# Allegro board RK3588S_Template_LP4XD200P232SD10H2_30X30_2133MHz_H1R6_V11_20220218YWQ.brd (continued)
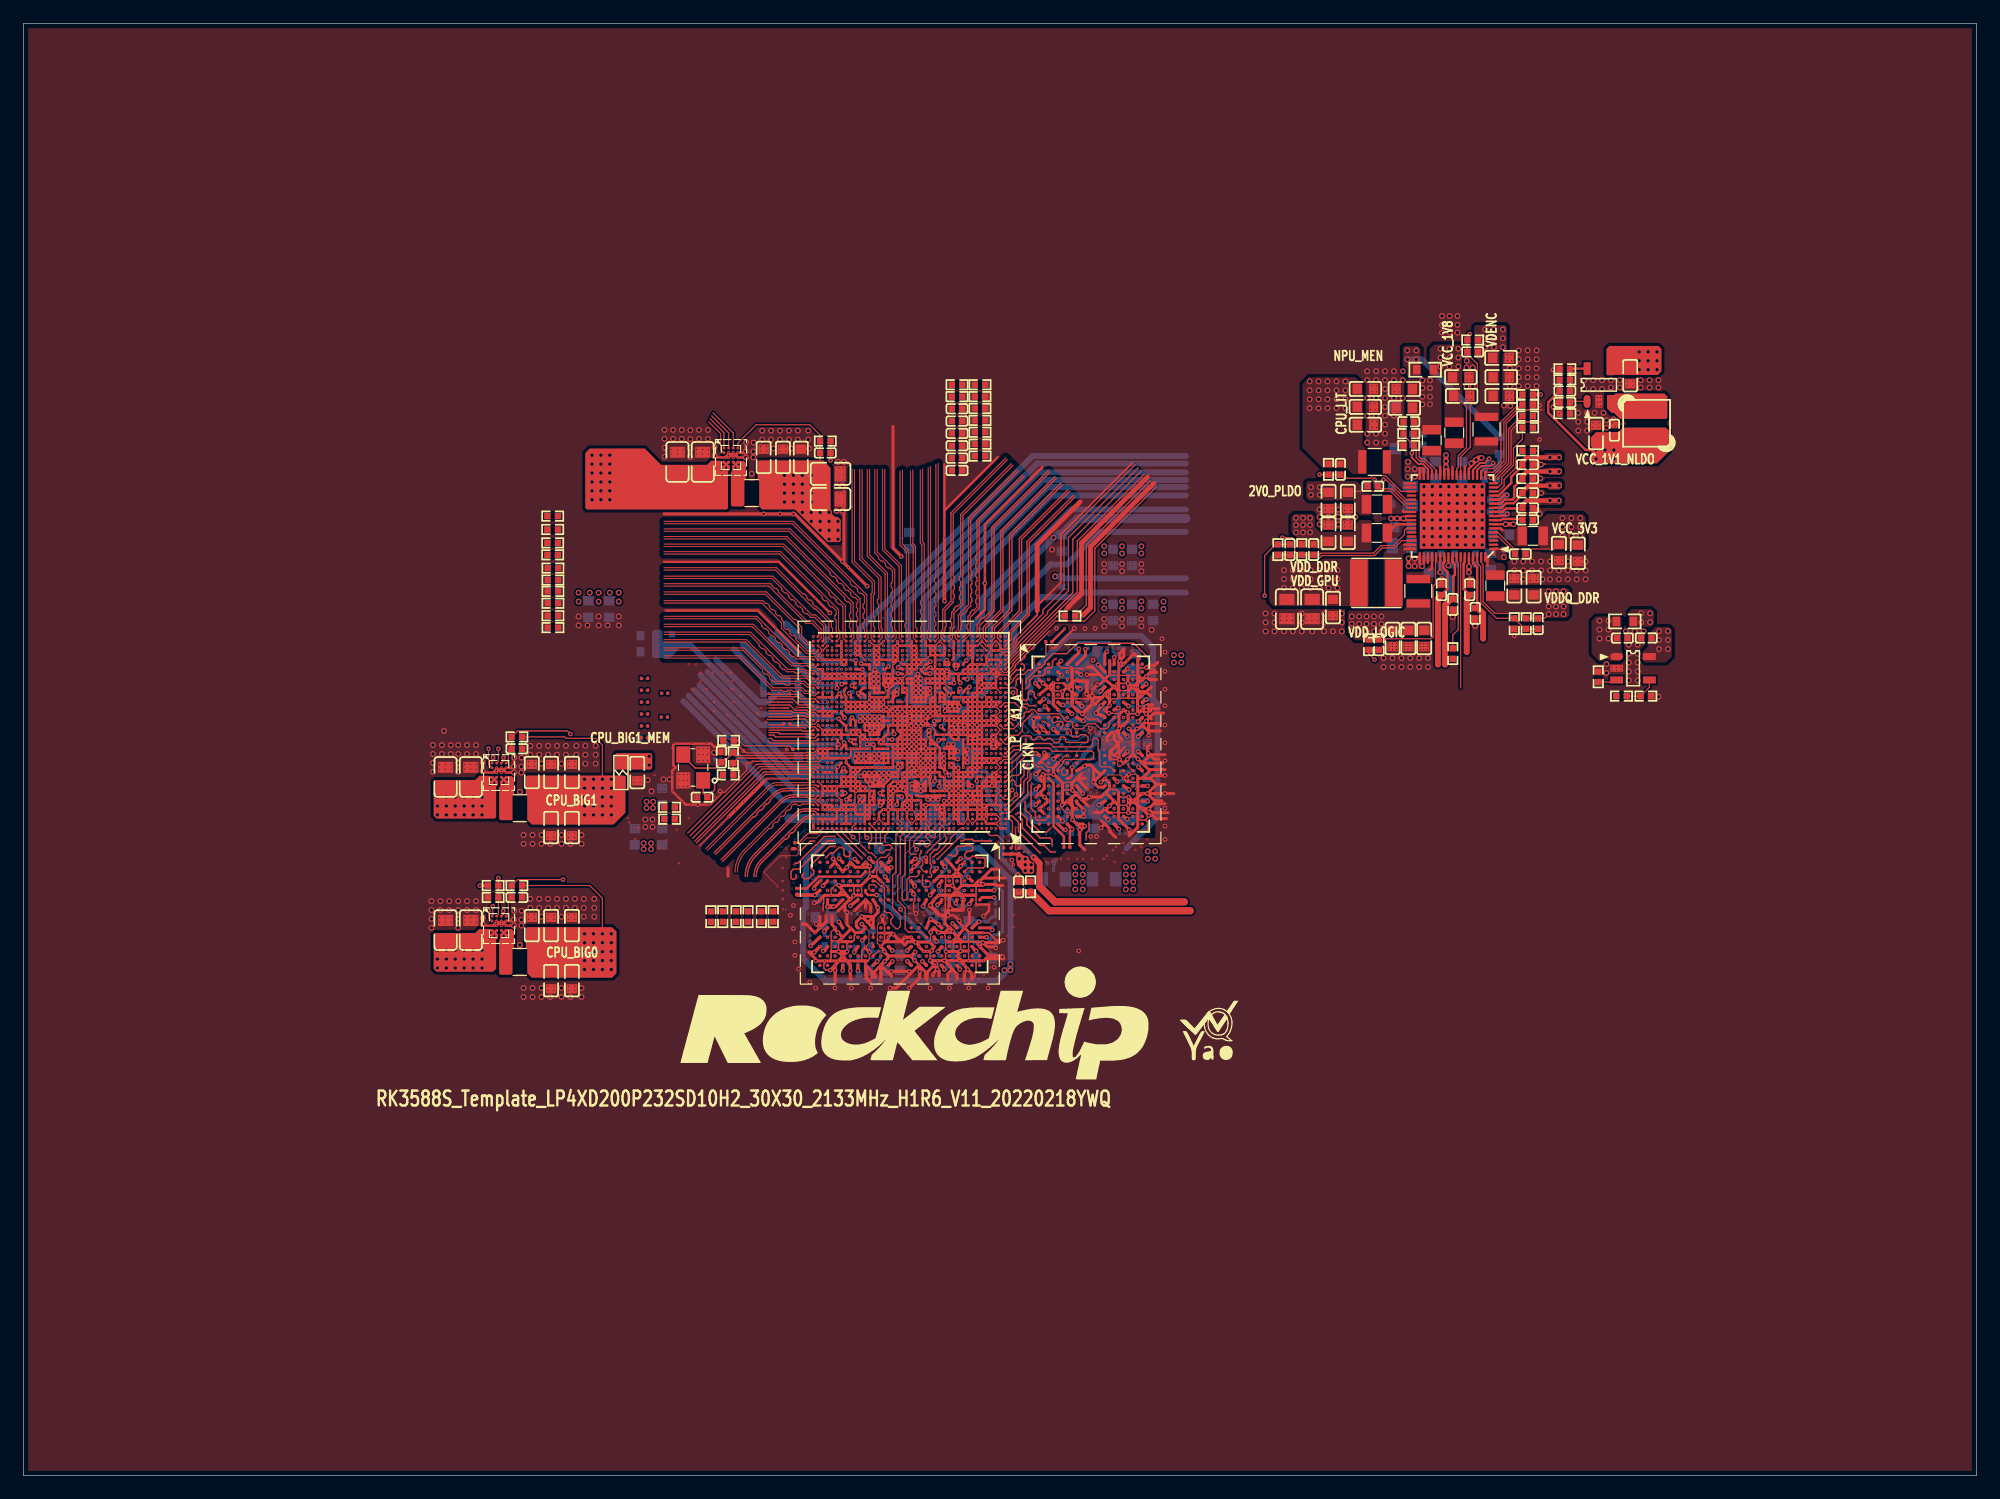
[diagram p0: board, top side]
## Copper pours and planes (outline as drawn; the poured copper is in the pictures) (continued)
GND on L8-S3: 0.51,0.51 0.51,123.57 166.37,123.57 166.37,0.51
VCC1V8_PMU_DDR_S3 on TOP: 119.38,96.27 119.38,94.11 119.25,93.98 118.11,93.98 117.86,94.23 117.86,96.39 117.98,96.52 119.13,96.52
VCC1V8_PMU_DDR_S3 on BOTTOM: 67.94,42.04 66.29,43.69 66.29,48.39 66.55,48.64 66.55,53.09 67.94,54.48 69.85,54.48 71.25,53.09 71.25,52.55 71.12,52.42 70.87,52.42 70.72,52.56 70.5,52.56 70.36,52.7 70.36,53.47 69.72,54.1 68.71,54.1 67.56,52.96 67.56,52.72 67.55,52.71 67.55,52.57 67.06,52.07 67.06,48.51 66.8,48.26 66.8,44.45 68.58,42.67 70.74,42.67 70.99,42.93 70.99,44.22 71.37,44.6 71.37,45.74 71.63,45.99 71.75,45.99 71.88,45.87 71.88,44.34 71.87,44.33 71.88,44.32 71.88,44.07 72.26,43.69 72.52,43.69 72.64,43.56 72.64,43.05 73.15,42.55 77.7,42.55 77.71,42.55 78.11,42.55 78.49,42.93 78.49,43.33 79.12,43.96 79.12,45.1 78.87,45.36 77.45,45.36 75.44,47.37 74.7,47.37 72.77,49.3 72.77,49.66 72.9,49.78 73.02,49.78 73.15,49.66 73.41,49.66 73.41,49.42 74.93,47.9 75.56,47.9 77.34,46.12 79.25,46.12 79.5,45.87 79.5,43.05 79.76,42.8 80.77,42.8 81.03,43.05 83.18,43.05 84.07,43.94 84.07,50.8 82.93,51.94 82.93,52.32 82.04,53.21 79.88,53.21 79.63,52.96 79.63,52.22 77.72,50.31 77.72,49.93 77.47,49.93 77.47,50.95 78.23,51.71 78.23,52.45 79.76,53.98 82.55,53.98 83.57,52.96 83.57,52.32 84.96,50.93 84.96,43.18 83.82,42.04
VCC1V8_PMU_DDR_S3 on BOTTOM: 86.27,58.87 86.65,58.87 86.77,58.74 86.77,58.49 86.63,58.34 86.63,58.12 86.49,57.98 86.01,57.98 85.18,57.15 85.18,56.13 85.95,55.37 86.23,55.37 87.25,54.36 89.03,54.36 89.28,54.1 94.36,54.1 96.52,56.26 96.52,58.17 96.07,58.61 95.18,58.61 94.74,59.05 93.34,59.05 93.22,59.18 93.22,59.44 93.34,59.56 95.38,59.56 95.5,59.69 95.5,60.07 95.76,60.33 96.52,60.33 96.65,60.45 96.65,65.33 95.23,66.74 94.54,66.74 93.83,66.04 93.83,65.26 91.82,63.25 91.82,62.99 91.84,62.97 91.84,62.72 91.8,62.68 91.8,62.3 89.9,60.39 89.86,60.39 89.66,60.2 89.53,60.2 89.41,60.33 89.41,60.58 89.53,60.71 89.53,60.96 89.92,61.34 90.08,61.34 91.29,62.55 91.29,63.19 93.07,64.96 93.07,65.02 93.22,65.17 93.22,66.42 94.11,67.31 96.14,67.31 96.27,67.44 96.27,70.48 95.25,71.5 89.28,71.5 86.11,68.33 86.11,67.56 86.29,67.38 86.85,67.38 88.88,65.34 89.26,65.34 89.26,65.09 88.25,65.09 86.98,66.36 86.67,66.36 86.36,66.67 85.98,66.67 85.6,67.06 85.6,68.45 89.15,72.01 96.14,72.01 97.22,70.93 97.22,52.9 96.65,52.32 95.63,52.32 95.38,52.58 88.9,52.58 88.52,52.96 86.99,52.96 84.55,55.41 84.55,57.15
VCC1V8_PMU_DDR_S3 on L3-S1: 83.44,43.56 88.39,48.51 91.19,48.51 92.2,49.53 92.2,50.8 94.61,53.21 95.38,53.21 95.88,53.72 97.41,53.72 100.96,57.28 100.96,92.08 108.33,99.44 119.63,99.44 120.01,99.06 120.01,95.38 119.57,94.93 110.3,94.93 105.28,89.92 105.28,52.7 94.49,41.91 83.69,41.91 83.44,42.16
VCC_1V1_NLDO_S3 on TOP (solid shape): 140.59,89.28 140.59,87.5 139.57,86.49 134.24,86.49 133.98,86.74 133.98,88.77 134.37,89.15 135.12,89.15 135.13,89.15 135.25,89.13 135.38,89.15 135.39,89.15 136.27,89.15 136.65,89.53 140.33,89.53
VCC_1V1_NLDO_S3 on L3-S1: 130.94,89.03 135.64,89.03 136.27,88.39 136.27,86.61 135.76,86.11 134.62,86.11 129.29,80.77 126.24,80.77 126.11,80.9 126.11,84.2
VCC_1V8_S0 on BOTTOM (solid shape): 65.53,68.2 65.53,67.56 63.88,67.56 63.88,68.2 64.01,68.33 65.4,68.33
VCC_1V8_S0 on BOTTOM (solid shape): 71.5,58.16 71.6,58.14 71.7,58.16 71.71,58.17 71.75,58.17 72.01,57.91 72.01,57.81 71.97,57.74 71.95,57.68 71.95,57.56 72,57.45 72.01,57.44 72.01,57.4 72.14,57.28 72.39,57.28 72.52,57.4 73.28,57.4 73.41,57.28 73.41,57.15 73.28,57.02 73.02,57.02 71.75,55.75 69.98,55.75 69.85,55.88 69.85,56.39 69.98,56.51 70.66,56.51 70.71,56.5 70.75,56.49 70.86,56.49 70.91,56.5 70.97,56.52 71.12,56.52 71.25,56.64 71.25,57.6 71.27,57.63 71.27,57.84 71.25,57.86 71.25,58.04 71.37,58.17 71.5,58.17
VCC_1V8_S3 on TOP: 121.41,89.79 121.41,93.73 121.16,93.98 120.27,93.98 120.14,94.11 120.14,96.27 120.52,96.65 122.68,96.65 122.94,96.39 122.94,91.31 123.06,91.19 123.06,89.92 122.94,89.79
VCC_2V0_PLDO_S3 on TOP: 115.19,82.17 115.06,82.04 114.17,82.04 114.05,82.17 113.92,82.17 113.79,82.3 113.79,83.06 113.54,83.31 109.85,83.31 109.6,83.57 109.6,84.84 109.73,84.96 113.92,84.96 114.3,84.58 114.3,84.2 114.55,83.95 115.06,83.95 115.19,83.82
VCC_2V0_PLDO_S3 on L8-S3: 119.13,79.38 119.76,78.74 121.54,78.74 122.3,77.98 122.3,76.45 122.05,76.2 118.36,76.2 117.28,77.28 117.28,79.31 113.54,83.06 110.11,83.06 109.73,83.44 109.73,84.71 109.85,84.84 114.55,84.84 116.71,82.68 118.36,82.68 119.13,81.91
VCC_3V3_S0 on TOP: 136.4,73.41 134.37,73.41 133.98,73.03 133.98,70.23 134.62,69.6 136.4,69.6 136.65,69.85 136.65,70.36 136.52,70.48 136.52,73.28
VCC_3V3_S3 on TOP: 129.41,81.41 129.41,79.5 129.79,79.12 133.22,79.12 133.48,79.38 133.48,81.91 133.22,82.17 130.17,82.17
VCC_3V3_S3 on TOP: 138.56,69.47 140.33,69.47 140.84,69.98 140.84,72.26 140.59,72.52 139.45,72.52 138.81,71.88 138.81,70.87 138.18,70.23 138.18,69.85
VCC_SYSIN on TOP (solid shape): 139.95,96.27 139.95,94.36 139.64,94.04 135.95,94.04 135.94,94.03 135.33,94.03 135.25,94.11 135.25,96.27 135.51,96.52 139.7,96.52
VCC_SYSIN on TOP (solid shape): 39.75,58.93 40.39,58.93 40.39,56.26 40.26,56.13 35.31,56.13 35.05,56.39 35.05,59.31 35.18,59.44 38.61,59.44 38.96,59.79 39.75,59.79
VCC_SYSIN on TOP (solid shape): 39.75,45.85 40.39,45.85 40.39,43.31 40.13,43.05 35.31,43.05 35.05,43.31 35.05,46.23 35.18,46.36 38.61,46.36 38.96,46.71 39.75,46.71
VCC_SYSIN on TOP (solid shape): 54.48,86.36 58.42,86.36 58.77,86.71 59.56,86.71 59.56,85.85 60.2,85.85 60.2,82.68 60.07,82.55 48.13,82.55 48.01,82.68 48.01,87.38 48.39,87.76 53.09,87.76
VCC_SYSIN on TOP: 125.22,78.99 125.22,79.25 126.11,79.25 126.24,79.38 126.62,79.38 126.75,79.25 126.75,78.36 126.62,78.23 125.98,78.23
VCC_SYSIN on TOP: 118.24,85.09 119.75,85.09 119.75,86.12 119.63,86.23 119.25,86.23 118.62,86.87 118.11,86.87 117.98,86.74 117.98,85.34
VCC_SYSIN on TOP: 120.1,78.06 120.1,78.61 118.24,78.61 118.11,78.49 118.11,77.6 118.24,77.47 119.51,77.47
VCC_SYSIN on BOTTOM: 120.14,87.25 120.14,86.23 120.4,85.98 121.92,85.98 122.17,86.23 124.08,86.23 124.46,86.61 124.71,86.61 124.84,86.74 124.84,87.38 124.71,87.5 120.4,87.5
VCC_SYSIN on BOTTOM: 119.25,86.11 119.25,84.07 119.13,83.95 116.71,83.95 116.59,84.07 116.59,84.71 116.84,84.96 116.84,86.61 117.09,86.87 118.49,86.87
VCC_SYSIN on BOTTOM: 123.19,77.09 123.19,77.98 123.32,78.11 125.86,78.11 126.11,78.36 126.11,79.76 126.36,80.01 126.36,81.41 126.49,81.53 127.51,81.53 127.63,81.41 127.63,78.99 126.81,78.17 126.81,77.6 126.05,76.84 123.95,76.84 123.82,76.96 123.32,76.96
VCC_SYSIN on BOTTOM: 115.95,78.36 115.95,81.53 116.46,82.04 117.98,82.04 118.11,81.91 118.11,81.66 117.86,81.41 117.86,78.74 117.98,78.61 119,78.61 119.13,78.49 119.13,78.23 119.38,77.98 120.14,77.98 120.52,77.6 120.52,76.71 120.14,76.33 117.98,76.33
VCC_SYSIN on L5-POWER2: 116.59,84.71 116.59,76.2 117.22,75.56 117.22,53.47 102.87,39.12 43.18,39.12 41.66,40.64 41.66,74.04 50.42,82.8 50.42,87.63 50.16,87.88 37.59,87.88 26.8,77.09 26.8,24.89 35.18,16.51 130.68,16.51 149.22,35.05 149.22,96.14 148.72,96.65 133.35,96.65 129.16,92.46 123.82,92.46 116.59,85.22
VCCA_3V3_S0 on TOP: 137.16,73.79 137.16,72.52 139.06,72.52 139.32,72.77 139.32,73.79 139.06,74.04 137.41,74.04
VCCIO5 on L8-S3 (solid shape): 65.53,65.41 65.53,65.02 64.9,65.02 62.74,67.18 62.74,67.44 62.86,67.56 63.37,67.56
VCCIO5 on BOTTOM: 63.48,66.55 63.36,66.44 63.18,66.44 63.14,66.4 62.75,66.79 62.75,68.06 62.86,68.17 63.48,68.17
VCCIO_FLASH on BOTTOM (solid shape): 54.61,72.14 54.61,71.37 54.74,71.25 55.88,71.25 56.01,71.12 56.01,70.61 55.24,69.85 53.85,69.85 53.72,69.98 53.72,72.14 53.85,72.26 54.48,72.26
VDD2_DDR_S3 on BOTTOM (solid shape): 90.51,66.13 90.52,66.09 90.53,66.04 90.55,65.99 90.59,65.95 90.62,65.92 90.67,65.89 90.71,65.87 90.76,65.85 90.81,65.85 90.84,65.85 91.59,65.85 91.71,65.86 91.75,65.88 91.79,65.9 91.81,65.91 92.33,65.91 92.44,65.81 92.44,65.27 92.42,65.23 92.42,65.17 92.42,65.11 92.42,65.05 92.44,65.02 92.44,64.71 92.06,64.33 89.9,64.33 89.85,64.28 89.71,64.28 89.31,63.88 89.31,63.82 89.29,63.78 89.27,63.74 89.26,63.7 89.13,63.57 87.86,63.57 87.48,63.95 87.48,64.46 87.36,64.58 86.98,64.58 86.72,64.33 86.72,63.82 86.47,63.57 85.83,64.2 85.83,64.84 86.09,65.09 86.72,65.09 86.78,65.09 87.63,65.09 87.99,64.73 87.99,64.33 88.25,64.07 88.32,64.07 88.35,64.06 88.4,64.05 88.45,64.05 88.5,64.05 88.54,64.06 88.58,64.07 88.88,64.07 89.26,64.46 89.26,64.47 89.28,64.48 89.31,64.51 89.33,64.54 89.35,64.57 89.36,64.61 89.36,64.63 89.36,64.71 89.64,64.71 89.68,64.75 89.72,64.76 89.77,64.78 89.81,64.81 89.85,64.85 89.88,64.89 89.91,64.93 89.93,64.98 89.94,65.03 89.94,65.08 89.94,65.13 90.11,65.13 90.11,65.08 90.12,65.02 90.14,64.97 90.16,64.93 90.19,64.88 90.22,64.84 90.27,64.81 90.31,64.78 90.36,64.77 90.41,64.75 90.46,64.75 90.52,64.75 90.57,64.77 90.62,64.78 90.66,64.81 90.7,64.84 90.74,64.88 90.77,64.93 90.79,64.97 90.81,65.02 90.82,65.08 90.82,65.13 90.81,65.18 90.79,65.23 90.77,65.28 90.74,65.32 90.7,65.36 90.66,65.39 90.62,65.42 90.57,65.44 90.52,65.45 90.46,65.46 90.41,65.45 90.36,65.44 90.31,65.42 90.27,65.39 90.22,65.36 90.19,65.32 90.16,65.28 90.14,65.23 90.12,65.18 90.11,65.13 89.94,65.13 89.93,65.19 89.91,65.23 89.9,65.27 89.9,65.85 90.28,66.23 90.4,66.23
VDD2_DDR_S3 on BOTTOM (solid shape): 95.58,64.44 95.59,64.4 95.6,64.34 95.62,64.29 95.65,64.25 95.69,64.21 95.73,64.17 95.76,64.16 95.76,63.37 95.49,63.1 95.48,63.09 95.44,63.06 95.44,61.66 95.38,61.59 95.12,61.59 95.12,61.57 95.07,61.54 95.02,61.51 94.98,61.48 94.95,61.44 94.92,61.39 94.9,61.34 94.88,61.29 94.88,61.23 94.88,61.18 94.89,61.13 94.91,61.08 94.94,61.03 94.97,60.99 95.01,60.95 95.06,60.92 95.11,60.9 95.16,60.88 95.21,60.88 95.27,60.88 95.32,60.89 95.44,60.77 95.44,60.6 95.44,60.57 95.42,60.55 95.4,60.53 95.37,60.52 95.34,60.51 95.31,60.52 95.28,60.53 95.25,60.56 95.21,60.59 95.17,60.61 95.12,60.63 95.07,60.64 95.05,60.64 94.85,60.63 94.82,60.63 94.79,60.64 94.77,60.66 94.75,60.69 94.74,60.72 94.74,60.73 94.74,61.21 94.68,61.28 94.67,61.32 94.65,61.37 94.62,61.42 94.58,61.46 94.54,61.5 94.49,61.53 94.44,61.55 94.39,61.56 94.36,61.59 93.47,61.59 93.22,61.34 93.22,59.94 93.09,59.82 92.07,59.82 91.69,59.44 91.69,59.05 91.38,58.74 91.06,58.74 90.79,58.47 90.79,58.36 90.4,57.98 89.41,57.98 88.82,58.56 89.29,58.56 89.29,58.51 89.3,58.46 89.31,58.41 89.34,58.36 89.37,58.32 89.4,58.28 89.44,58.25 89.49,58.22 89.54,58.2 89.59,58.19 89.64,58.18 89.7,58.19 89.75,58.2 89.8,58.22 89.84,58.25 89.88,58.28 89.92,58.32 89.95,58.36 89.97,58.41 89.99,58.46 89.99,58.51 89.99,58.56 89.99,58.62 89.97,58.67 89.95,58.71 89.92,58.76 89.88,58.8 89.84,58.83 89.8,58.86 89.75,58.87 89.7,58.89 89.64,58.89 89.59,58.89 89.54,58.87 89.49,58.86 89.44,58.83 89.4,58.8 89.37,58.76 89.34,58.71 89.31,58.67 89.3,58.62 89.29,58.56 88.82,58.56 88.78,58.62 88.75,58.66 88.71,58.69 88.68,58.71 88.17,59.22 88.13,59.22 88.1,59.25 87.65,59.25 87.62,59.22 86.68,59.22 86.67,59.23 86.63,59.27 86.58,59.29 86.53,59.3 86.49,59.31 86.22,59.57 86.22,59.94 86.78,59.94 86.78,59.88 86.78,59.83 86.8,59.78 86.82,59.73 86.85,59.69 86.89,59.65 86.93,59.62 86.97,59.59 87.02,59.57 87.07,59.56 87.13,59.56 87.18,59.56 87.23,59.57 87.28,59.59 87.33,59.62 87.37,59.65 87.4,59.69 87.43,59.73 87.46,59.78 87.47,59.83 87.48,59.88 87.48,59.94 87.65,59.94 87.65,59.89 87.66,59.84 87.68,59.79 87.7,59.74 87.73,59.69 87.77,59.66 87.81,59.62 87.85,59.6 87.9,59.58 87.95,59.57 88.01,59.56 88.06,59.57 88.11,59.58 88.16,59.6 88.2,59.62 88.25,59.66 88.28,59.69 88.31,59.74 88.33,59.79 88.35,59.84 88.36,59.89 88.36,59.94 88.35,59.99 88.33,60.04 88.31,60.09 88.28,60.13 88.25,60.17 88.2,60.21 88.16,60.23 88.11,60.25 88.06,60.26 88.01,60.27 87.95,60.26 87.9,60.25 87.85,60.23 87.81,60.21 87.77,60.17 87.73,60.13 87.7,60.09 87.68,60.04 87.66,59.99 87.65,59.94 87.48,59.94 87.47,59.99 87.46,60.04 87.43,60.09 87.4,60.13 87.37,60.17 87.33,60.2 87.28,60.23 87.23,60.25 87.18,60.26 87.13,60.26 87.07,60.26 87.02,60.25 86.97,60.23 86.93,60.2 86.89,60.17 86.85,60.13 86.82,60.09 86.8,60.04 86.78,59.99 86.78,59.94 86.22,59.94 86.22,60.17 86.27,60.2 86.3,60.23 86.33,60.26 86.36,60.3 86.37,60.34 86.38,60.38 86.38,60.43 86.37,60.47 86.36,60.52 86.33,60.55 86.3,60.59 86.27,60.62 86.22,60.64 86.22,61.8 86.34,61.92 86.59,61.92 86.93,61.58 86.94,61.56 86.98,61.51 87.02,61.48 87.05,61.46 87.1,61.41 87.23,61.41 87.23,61.4 87.61,61.41 87.9,61.42 87.94,61.44 87.99,61.47 88.38,61.08 88.37,61.03 88.38,60.99 88.39,60.94 88.41,60.9 88.43,60.86 88.47,60.83 88.5,60.81 88.54,60.79 88.59,60.78 88.63,60.77 88.68,60.78 89.15,60.31 89.15,60.22 89.43,59.94 89.77,59.94 89.96,60.14 90,60.14 90.72,60.86 91.57,60.86 91.8,61.09 91.8,61.12 91.81,61.15 91.82,61.19 91.82,61.24 91.81,61.28 91.8,61.31 91.8,61.94 92.06,62.19 92.06,62.48 92.07,62.5 92.07,62.59 92.1,62.61 92.1,63.08 92.08,63.1 92.85,63.87 93.28,63.87 93.28,63.82 93.29,63.77 93.3,63.72 93.32,63.67 93.35,63.63 93.39,63.59 93.43,63.55 93.48,63.53 93.53,63.51 93.58,63.5 93.63,63.49 93.68,63.5 93.73,63.51 93.78,63.53 93.83,63.55 93.87,63.59 93.91,63.63 93.94,63.67 93.96,63.72 93.97,63.77 93.98,63.82 94.1,63.82 94.1,63.77 94.11,63.72 94.13,63.67 94.16,63.62 94.19,63.58 94.22,63.55 94.27,63.51 94.31,63.49 94.36,63.47 94.41,63.46 94.47,63.46 94.52,63.47 94.57,63.48 94.62,63.5 94.66,63.53 94.68,63.55 94.9,63.55 94.92,63.53 94.97,63.5 95.01,63.48 95.06,63.47 95.12,63.46 95.17,63.46 95.22,63.47 95.27,63.49 95.32,63.51 95.36,63.55 95.4,63.58 95.43,63.62 95.45,63.67 95.47,63.72 95.48,63.77 95.48,63.82 95.48,63.88 95.47,63.93 95.45,63.98 95.42,64.02 95.38,64.06 95.34,64.1 95.3,64.12 95.25,64.15 95.2,64.16 95.15,64.17 95.1,64.17 95.05,64.16 95,64.14 94.96,64.12 94.93,64.12 94.89,64.14 94.84,64.15 94.78,64.15 94.73,64.14 94.7,64.12 94.62,64.12 94.59,64.14 94.54,64.16 94.49,64.17 94.43,64.17 94.38,64.16 94.33,64.15 94.28,64.12 94.24,64.1 94.2,64.06 94.17,64.02 94.14,63.98 94.12,63.93 94.11,63.88 94.1,63.82 93.98,63.82 93.98,63.87 93.97,63.92 93.96,63.98 93.94,64.02 93.91,64.07 93.87,64.1 93.83,64.14 93.78,64.16 93.73,64.18 93.68,64.2 93.63,64.2 93.58,64.2 93.53,64.18 93.48,64.16 93.43,64.14 93.39,64.1 93.35,64.07 93.32,64.02 93.3,63.98 93.29,63.92 93.28,63.87 92.85,63.87 93.49,64.52 94.36,64.52 94.49,64.64 95.38,64.64
VDD2_DDR_S3 on TOP: 119.51,88.9 121.03,88.9 121.16,89.03 121.16,93.6 120.9,93.85 118.36,93.85 118.24,93.73 118.24,90.81 118.49,90.55 118.49,88.77 118.62,88.65 119.25,88.65
VDD2_DDR_S3 on BOTTOM: 71.63,51.05 71.63,51.56 71.5,51.69 71.5,52.29 72.15,52.94 74.2,52.94 74.29,52.85 74.29,52.6 73.79,52.09 73.79,51.33 73.8,51.32 73.78,51.3 73.78,51.06 73.64,50.93 73.41,50.93 73.15,50.67 73.15,50.55 72.52,49.91 72.52,49.3 73.28,48.53 73.28,48.15 73.02,47.9 73.02,47.64 73.28,47.39 74.29,47.39 74.57,47.12 75.44,47.12 77.09,45.47 77.09,43.69 76.83,43.43 75.69,43.43 75.31,43.81 74.42,43.81 74.29,43.69 72.9,43.69 72.77,43.81 72.77,44.07 72.89,44.19 72.89,44.7 72.89,44.71 72.89,45.21 72.9,45.21 72.9,45.59 72.64,45.85 72.39,45.85 72.27,45.96 72.27,46.98 71.75,47.5 71.25,47.5 71.12,47.62 71.12,48.13 70.85,48.41 70.74,48.41 70.36,48.79 70.36,49.78
VDD2_DDR_S3 on BOTTOM: 76.71,47.14 77.09,46.76 78.23,46.76 78.49,47.01 78.49,47.26 78.23,47.52 78.23,48.41 78.61,48.79 78.61,48.91 78.23,49.3 77.34,49.3 77.09,49.55 77.09,49.93 76.83,49.93 76.45,50.31 76.45,50.95 76.71,51.2 77.11,51.2 77.34,51.44 77.34,52.07 77.6,52.32 77.85,52.32 79.76,54.23 80.39,54.23 80.52,54.36 80.52,54.99 79.63,54.99 79.63,54.74 78.25,53.36 76.58,53.36 75.95,52.72 76.2,52.47 76.71,52.47 76.83,52.34 76.83,51.84 76.71,51.71 76.33,51.71 75.95,51.33 75.95,50.06 76.71,49.3
VDD2_DDR_S3 on BOTTOM: 92.74,52.2 92.84,52.3 95,52.3 95.12,52.17 95.12,49.91 95,49.78 93.09,49.78 92.74,50.14
VDD2_DDR_S3 on L4-POWER1: 106.81,51.44 103.25,47.88 95.38,47.88 93.34,49.91 93.34,51.69 93.98,52.32 97.03,52.32 100.08,55.37 100.08,93.73 105.03,98.68 119.63,98.68 120.71,97.6 120.71,90.49 118.74,88.52 111.63,88.52 107.44,84.33 107.44,80.52 106.81,79.88
VDD2_DDR_S3 on L5-POWER2: 69.66,42.61 68.07,44.2 67.44,44.2 66.67,44.96 66.67,51.31 68.83,53.47 80.26,53.47 84.84,48.89 86.99,48.89 88.01,49.91 88.01,54.17 85.72,56.45 85.72,63.63 86.11,64.01 86.11,64.9 86.36,65.15 86.36,67.31 86.49,67.44 87.12,67.44 87.38,67.69 87.38,68.71 88.01,69.34 88.65,69.34 89.66,70.36 89.66,70.74 90.04,71.12 91.31,71.12 92.33,70.1 93.85,70.1 94.11,69.85 96.77,69.85 97.16,69.47 97.16,47.75 92.01,42.61
VDD_0V75_S3 on TOP: 130.05,87.38 131.32,87.38 131.44,87.25 131.44,86.87 131.32,86.74 129.92,86.74 129.79,86.87 129.79,87.12
VDD_CPU_BIG0_S0 on TOP (solid shape): 50.67,46.48 50.67,42.93 50.29,42.55 43.43,42.55 43.05,42.93 43.05,44.96 42.93,45.09 42.93,46.74 43.05,46.86 50.29,46.86
VDD_CPU_BIG0_S0 on BOTTOM (solid shape): 75.06,60.45 75.06,59.79 74.75,59.49 74.18,59.49 74.18,59.42 74.05,59.42 73.66,59.03 73.56,59.03 73.5,59.05 73.47,59.05 73.41,59.05 73.15,59.05 72.9,58.8 72.52,58.8 72.14,58.42 71.88,58.42 71.88,58.8 72.01,58.93 72.19,58.93 72.21,58.98 72.21,59.09 72.23,59.12 72.25,59.17 72.39,59.31 72.39,59.56 72.29,59.67 72.27,59.65 72.24,59.67 72.08,59.68 71.95,59.6 71.93,59.59 71.92,59.59 71.84,59.59 71.76,59.56 71.4,59.56 71.39,59.57 71.27,59.59 71.16,59.57 71.15,59.56 70.76,59.56 70.68,59.59 70.61,59.59 70.59,59.59 70.48,59.69 70.48,59.94 70.53,59.95 70.59,59.97 70.64,60 70.7,60.06 71.62,60.06 71.73,60.17 71.91,60.17 71.91,60.19 72.38,60.19 72.4,60.17 72.63,60.17 72.65,60.19 72.71,60.19 72.96,60.45 74.04,60.45 74.29,60.71 74.8,60.71
VDD_CPU_BIG0_S0 on BOTTOM: 55.07,54.53 51.89,54.53 51.64,54.28 51.64,53.52 52.02,53.14 54.94,53.14 55.32,53.52 55.32,54.28
VDD_CPU_BIG0_S0 on L5-POWER2: 75.23,60.5 74.88,60.86 74.52,60.86 74.14,60.48 70.75,60.48 70.26,59.99 64.31,59.99 61.07,56.76 56.78,56.76 54.31,54.28 49.45,54.28 46.61,51.44 46.61,43.05 46.93,42.74 47.43,42.74 47.5,42.67 63.63,42.67 63.88,42.93 63.88,51.74 65.38,53.24 65.4,53.24 66.4,54.23 67.59,54.23 67.84,53.98 71.37,53.98 72.64,55.24 75.06,55.24 75.44,55.63 75.44,59.51 75.23,59.72
VDD_CPU_BIG0_S0 on L6-S2: 74.45,59.21 74.45,59.11 73.89,58.55 73.86,58.55 73.86,58.34 73.23,57.71 73.23,56.64 73.02,56.44 73.02,55.37 72.9,55.24 70.61,55.24 58.17,42.8 46.86,42.8 46.61,43.05 46.61,52.12 54.61,60.12 60.15,60.12 61.37,61.34 70.48,61.34 70.61,61.21 70.61,60.88 70.56,60.83 70.56,60.76 70.95,60.36 73.88,60.36 74.42,60.91 74.88,60.91 75.23,60.55 75.23,59.99
VDD_CPU_BIG1_MEM_S0 on TOP (solid shape): 53.72,61.59 53.72,60.45 53.59,60.33 50.55,60.33 50.55,61.59 50.67,61.72 53.59,61.72
VDD_CPU_BIG1_MEM_S0 on L6-S2: 72.91,63.29 72.97,63.22 72.97,62.1 72.85,61.97 71.11,61.97 70.76,61.62 70.71,61.62 70.69,61.59 61.24,61.59 60.02,60.38 53.29,60.38 53.21,60.45 53.21,62.99 53.51,63.29
VDD_CPU_BIG1_S0 on TOP (solid shape): 51.43,59.69 51.43,56.64 50.42,55.63 43.43,55.63 43.05,56.01 43.05,58.04 42.93,58.17 42.93,59.69 43.05,59.82 51.31,59.82
VDD_CPU_BIG1_S0 on BOTTOM (solid shape): 71.37,62.1 71.37,61.98 71.49,61.98 71.5,61.97 74.8,61.97 74.93,61.85 74.93,61.21 74.8,61.09 74.29,61.09 74.17,61.21 73.3,61.21 73.15,61.07 72.74,61.07 72.74,61.07 72.58,61.07 72.58,60.91 72.44,60.77 72.34,60.77 72.33,60.78 72.22,60.8 72.1,60.78 72.09,60.77 71.64,60.77 71.58,60.77 71.07,60.77 71.01,60.83 70.87,60.83 70.74,60.96 70.74,61.09 70.48,61.34 69.72,61.34 69.52,61.13 69.4,61.13 69.13,60.86 67.03,60.86 66.93,60.96 66.93,61.59 67.18,61.85 69.36,61.85 69.42,61.83 69.47,61.83 69.49,61.83 69.6,61.72 70.75,61.72 70.75,61.86 70.99,62.1 71.37,62.1
VDD_CPU_BIG1_S0 on BOTTOM: 53.21,56.69 54.94,56.69 55.19,56.95 55.19,57.84 55.07,57.96 53.21,57.96 52.96,57.71 52.96,56.95
VDD_CPU_BIG1_S0 on L5-POWER2: 73.38,62.73 68.07,62.73 67.81,62.99 66.55,62.99 66.42,62.87 66.42,62.86 66.29,62.73 59.82,62.73 59.05,63.5 47.24,63.5 46.99,63.25 46.99,56.77 48.84,54.91 53.97,54.91 56.83,57.77 56.91,57.77 56.97,57.84 58.12,57.84 58.37,57.58 60.91,57.58 63.99,60.66 70.65,60.66 70.87,60.88 73.23,60.88 73.38,61.04
VDD_CPU_BIG1_S0 on L8-S3: 49.1,63.93 61.54,63.93 61.8,63.68 66.42,63.68 66.55,63.55 66.55,62.74 66.93,62.36 68.58,62.36 69.09,61.85 69.98,61.85 70.23,62.1 71.75,62.1 71.88,62.23 71.88,62.48 72.01,62.61 72.64,62.61 72.77,62.48 72.77,62.23 72.9,62.1 73.15,62.1 73.28,61.98 73.28,61.21 73.15,61.09 70.74,61.09 70.36,60.71 70.1,60.71 69.21,59.82 69.21,58.55 67.82,57.15 66.55,57.15 61.21,51.82 47.62,51.82 47.12,52.32 47.12,61.95
VDD_CPU_LIT_S0 on BOTTOM (solid shape): 70.48,65.41 72.02,65.41 72.12,65.34 72.23,65.31 72.24,65.3 72.24,65.14 72.39,65.14 72.39,65.07 72.71,65.07 72.87,64.97 72.87,64.98 73.02,65.07 73.17,65.07 73.25,64.95 73.25,64.95 73.3,64.86 73.51,64.95 74.12,64.95 74.12,64.06 73.58,64.06 73.27,63.74 73.27,63.37 72.77,63.37 72.72,63.42 72.72,63.47 72.17,63.47 72.14,63.5 72.14,64.26 72.09,64.31 71.07,64.31 71.07,64.56 71.13,64.69 71.13,64.85 71.13,64.88 71.11,64.91 70.98,65.07 70.78,65.12 70.64,65.1 70.52,65.02 70.36,65.02 69.98,65.41 69.98,65.53 70.36,65.53
VDD_CPU_LIT_S0 on TOP: 113.54,85.6 113.03,86.11 111,86.11 109.28,87.82 109.28,93.28 109.85,93.85 113.79,93.85 114.43,93.22 114.43,88.01 114.68,87.76 114.68,85.6
VDD_CPU_LIT_S0 on BOTTOM: 50.85,74.09 51.18,74.42 51.18,75.56 50.88,75.87 47.42,75.87 47.12,75.56 47.12,74.42 47.45,74.09
VDD_CPU_LIT_S0 on L5-POWER2: 55.88,108.78 115.76,108.78 120.78,103.76 120.78,89.66 116.59,85.47 111.38,85.47 108.84,88.01 108.84,93.22 106.43,95.63 74.55,95.63 70.1,91.19 70.1,89.03 68.07,87 64.26,87 59.44,82.17 59.44,72.64 65.23,66.85 65.28,66.85 65.46,66.67 68.2,66.67 69.04,65.84 70.18,65.84 70.23,65.79 70.66,65.79 70.87,65.58 71.58,65.58 72.03,65.13 73.28,65.13 73.28,65.02 73.41,64.9 73.41,64.39 73.02,64.01 73.02,63.12 71.25,63.12 70.99,63.37 69.72,63.37 69.57,63.22 68.17,63.22 68.14,63.25 59.82,63.25 59.18,63.88 46.48,63.88 46.23,64.14 46.23,77.34 51.31,82.42 51.31,104.2
VDD_CPU_LIT_S0 on L6-S2: 72.74,63.34 53.16,63.34 52.82,63.68 46.81,63.68 46.48,64.01 46.48,86.61 67.31,107.44 112.27,107.44 114.17,105.54 114.17,91.31 113.79,90.93 73.28,90.93 68.58,86.23 64.52,86.23 62.48,84.2 62.48,80.64 62.1,80.26 62.1,75.06 62.67,74.49 62.8,74.49 69.21,68.07 69.21,66.29 69.34,66.17 70.23,66.17 70.23,66.08 70.48,65.83 72.83,65.83 73.41,65.25 73.41,64.39 73.41,64.39 73.02,64.01 73.02,63.63
VDD_DDR_S0 on BOTTOM (solid shape): 79.38,62.99 80.11,62.99 80.21,62.89 80.21,61.62 80.06,61.47 80.06,61.11 80.01,61.06 79.66,61.06 79.58,61.14 79.45,61.14 79.32,61.26 79.32,61.65 78.94,62.03 78.94,62.53 78.87,62.61 78.87,62.99 78.99,63.12 79.25,63.12
VDD_DDR_S0 on BOTTOM (solid shape): 77.42,59.49 77.42,58.98 76.91,58.47 76.91,58.17 76.83,58.09 75.51,58.09 75.39,58.22 75.39,58.28 75.41,58.3 75.52,58.48 75.52,58.69 75.51,58.7 75.51,59.23 75.57,59.29 76.41,59.29 76.41,59.36 76.53,59.36 76.78,59.61 77.29,59.61
VDD_DDR_S0 on TOP: 108.84,80.14 108.33,80.64 108.33,81.91 108.58,82.17 110.11,82.17 110.36,81.91 110.36,81.03 110.74,80.64 113.79,80.64 113.79,81.28 114.17,81.66 115.06,81.66 115.19,81.53 115.19,79.12 115.06,78.99 110.87,78.99 110.62,79.25 108.97,79.25 108.84,79.38
VDD_DDR_S0 on L4-POWER1: 109.09,40.89 85.72,40.89 85.22,41.4 85.22,50.67 85.34,50.8 88.01,50.8 89.41,49.4 92.96,49.4 94.87,47.5 103.63,47.5 107.82,51.69 107.82,82.8 108.2,83.19 117.98,83.19 119.25,81.91 119.25,79.12 120.52,77.85 120.52,52.32
VDD_DDR_S0 on L4-POWER1: 77.81,62.01 77.81,63.33 78.16,63.68 80.09,63.68 80.21,63.55 80.21,62.15 80.47,61.9 80.47,60.96 81.03,60.4 81.03,58.55 80.14,57.66 78.54,57.66 78.28,57.91 75.95,57.91 75.65,58.2 75.65,59.23 75.77,59.35 76.88,59.35 77.93,60.4 77.93,61.9
VDD_DDR_S0 on L5-POWER2: 77.22,59.31 75.82,59.31 75.69,59.18 75.69,58.04 75.95,57.78 76.58,57.78 76.96,58.17 78.23,58.17 78.36,58.29 79.12,58.29 80.01,59.18 80.01,62.23 79.63,62.61 78.74,62.61 78.61,62.48 78.61,62.23 78.74,62.1 78.74,60.83
VDD_DDR_S0 on L6-S2: 73.48,57.78 75.03,59.33 75.06,59.33 75.16,59.44 77.09,59.44 77.47,59.82 77.98,59.82 78.74,59.05 83.69,59.05 84.07,59.44 85.09,59.44 85.85,58.67 85.85,57.15 88.39,54.61 88.39,49.91 87.63,49.15 83.44,49.15 82.68,49.91 82.68,51.18 80.58,53.28 78.3,53.28 77.47,54.1 75.06,54.1 74.42,54.74 74.36,54.67 73.6,54.67 73.28,54.99 73.28,56.06 73.48,56.26
VDD_GPU_S0 on BOTTOM (solid shape): 76.2,68.71 76.58,68.71 76.73,68.56 76.73,68.33 76.8,68.23 76.92,68.18 76.96,68.17 76.96,68.07 77.09,67.94 77.09,67.69 77.33,67.45 77.36,67.47 77.39,67.49 77.55,67.49 77.63,67.41 77.62,67.3 77.66,67.18 77.64,67.14 77.6,67.02 77.62,66.89 77.63,66.83 77.66,66.78 77.67,66.75 77.67,66.73 77.69,66.7 77.7,66.63 77.76,66.63 77.78,66.61 77.79,66.61 77.8,66.6 77.93,66.6 78.05,66.47 78.05,66.22 77.93,66.09 77.55,66.09 77.42,65.96 77.27,65.96 77.16,65.86 77.11,65.83 77.06,65.79 76.71,65.79 76.66,65.84 75.9,65.84 75.9,65.91 75.71,65.91 75.71,65.94 75.66,65.94 75.56,66.04 75.26,66.04 75.26,66.5 75.56,66.8 75.56,68.96 75.69,69.09 75.82,69.09
VDD_GPU_S0 on TOP: 110.74,78.11 108.58,78.11 108.33,78.36 108.33,78.74 108.08,78.99 106.93,78.99 106.43,78.49 106.43,74.68 106.81,74.3 114.81,74.3 114.94,74.42 114.94,78.23 114.81,78.36 111,78.36
VDD_GPU_S0 on BOTTOM: 92.2,78.49 95.63,78.49 95.76,78.61 95.76,79.5 95.63,79.63 92.2,79.63 92.07,79.5 92.07,78.61
VDD_GPU_S0 on BOTTOM: 75.31,79.76 75.06,79.5 75.06,78.87 75.18,78.74 76.2,78.74 76.33,78.87 76.33,79.63 76.2,79.76
VDD_GPU_S0 on L5-POWER2: 75.44,66.6 75.36,66.67 75.31,66.67 75.31,66.8 74.94,67.17 74.41,67.17 73.89,67.69 73.89,71.75 70.74,74.9 70.74,90.81 74.99,95.06 106.11,95.06 108.33,92.84 108.33,87.25 110.49,85.09 111.38,85.09 112.78,83.69 112.78,75.82 112.52,75.56 103.76,75.56 98.81,80.52 82.77,80.52 79.38,77.13 79.38,74.3 79.25,74.17 79.21,74.17 78.53,73.49 78.53,72.15 78.01,71.63 78.01,70.5 77.98,70.48 77.98,67.82 77.85,67.69 77.85,66.8 77.65,66.6
VDD_GPU_S0 on L6-S2: 76.35,66.52 76.28,66.6 75.44,66.6 74.96,67.08 74.93,67.08 74.7,67.31 73.89,67.31 73.79,67.41 73.56,67.41 73.38,67.59 73.38,72.14 73.39,72.15 73.39,72.63 73.41,72.64 73.41,72.77 70.74,75.44 70.74,88.01 73.28,90.55 113.54,90.55 114.43,89.66 114.43,77.47 111.63,74.68 107.24,74.68 105.16,76.76 89.41,76.76 88.7,77.47 81.79,77.47 80.77,76.45 80.77,75.82 79.63,74.68 79.63,73.28 78.99,72.64 78.99,71.12 78.23,70.36 78.23,66.65 78.1,66.52
VDD_LOGIC_S0 on BOTTOM (solid shape): 79.12,65.94 79.75,65.94 79.75,65.96 80.06,65.96 80.12,65.75 80.31,65.74 80.34,65.71 80.67,65.71 80.74,65.7 80.85,65.71 80.9,65.66 80.9,65.15 80.85,65.11 80.19,65.11 80.19,65.07 79.71,65.07 79.58,65.2 79.58,65.58 78.31,65.58 78.31,65.86 78.41,65.96 79.12,65.96
VDD_LOGIC_S0 on L9-GND3 (solid shape): 70.87,65.79 70.87,65.22 70.84,65.15 70.77,65.12 70.65,65.09 70.55,65.02 70.35,65.02 70.15,65.08 69.96,65.02 69.21,65.02 68.2,64.01 68.2,62.74 69.21,61.72 69.98,61.72 70.1,61.59 70.1,61.21 69.98,61.09 69.98,60.96 69.6,60.96 69.54,60.91 69.52,60.9 69.39,60.86 69.29,60.76 69.22,60.57 69.27,60.37 69.44,60.22 69.67,60.22 69.7,60.22 69.82,60.11 69.99,60.11 70.08,60.09 70.17,60.1 70.19,60.11 70.97,59.33 70.97,59.26 70.99,59.2 70.99,58.93 70.61,58.93 70.1,59.44 68.71,59.44 68.07,60.07 68.07,61.47 67.69,61.85 67.69,64.52 68.83,65.66 70.16,65.66 70.22,65.65 70.48,65.91 70.74,65.91
VDD_LOGIC_S0 on TOP: 113.16,72.01 113.79,71.37 115.82,71.37 116.2,71.75 120.01,71.75 120.27,72.01 120.27,74.8 120.14,74.93 118.24,74.93 118.11,74.8 118.11,74.17 117.86,73.91 113.28,73.91 113.16,73.79
VDD_LOGIC_S0 on BOTTOM: 92.27,73.66 91.38,72.77 87.76,72.77 86.99,72.01 86.99,71.25 84.65,68.9 84.65,68.52 84.45,68.33 84.45,67.69 81.91,65.15 80.14,65.15 80.14,65.41 80.39,65.66 80.9,65.66 81.66,66.42 82.04,66.42 82.68,67.06 82.68,67.69 84.07,69.09 84.07,69.47 85.09,70.48 85.09,72.64 87.12,74.68 90.3,74.68 90.55,74.93 95.63,74.93 95.76,74.8 95.76,73.91 95.5,73.66
VDD_LOGIC_S0 on L4-POWER1: 78.36,65.38 76.43,65.38 76.2,65.15 75.31,65.15 75.08,65.38 74.12,65.38 73.3,66.19 71.37,66.19 71.12,66.45 71.12,66.93 71.37,67.18 72.05,67.18 72.14,67.09 74.29,67.09 74.55,66.84 75.44,66.84 75.44,66.55 75.82,66.17 76.2,66.17 76.62,66.59 76.67,66.59 76.76,66.5 79.55,66.5 80.26,65.79 80.26,65.15 79.88,64.77 78.97,64.77
VDD_LOGIC_S0 on L5-POWER2: 78.41,65.35 77.48,65.35 77.44,65.38 76.61,65.38 76.58,65.41 76.45,65.41 76.2,65.15 75.44,65.15 75.12,65.47 72.45,65.47 71.96,65.96 71.15,65.96 71.02,66.09 71.02,67.21 71.09,67.28 74.5,67.28 74.57,67.21 74.57,66.9 75.11,66.36 78.41,66.36 78.41,67.4 78.37,67.45 78.37,68.06 78.49,68.18 78.49,71.5 79.12,72.14 79.12,73.03 79.88,73.79 79.88,76.84 82.69,79.64 88.26,79.64 88.89,80.26 98.68,80.26 103.5,75.44 111.89,75.44 111.95,75.37 115.76,75.37 116.33,74.8 116.33,71.12 113.54,68.33 102.11,68.33 96.65,73.79 87.76,73.79 86.8,72.83 86.8,71.69 85.72,70.61 85.72,68.96 85.09,68.33 85.09,66.67 84.71,66.29 84.28,66.29 82.42,64.44 78.56,64.44 78.41,64.59
VDD_LOGIC_S0 on L6-S2: 80.01,65.38 79.12,65.38 78.89,65.15 78.59,65.15 78.36,65.38 76.58,65.38 76.35,65.15 75.29,65.15 75.06,65.38 74.12,65.38 73.3,66.19 70.97,66.19 70.97,67.11 71.12,67.26 71.88,67.26 72.05,67.09 74.29,67.09 74.55,66.84 75.1,66.84 75.77,66.17 76.5,66.17 76.83,66.5 79.71,66.5 80.14,66.07 80.14,65.51
VDD_LOGIC_S0 on L8-S3: 88.42,72.64 89.36,73.58 96.65,73.58 100.13,70.1 115.57,70.1 116.33,70.87 116.33,78.11 115.06,79.38 107.44,79.38 102.74,84.07 82.37,84.07 80.09,81.79 80.09,73.33 80.14,73.28 80.14,71.5 80.01,71.37 80.01,70.23 80.26,69.98 80.64,69.98 80.9,69.72 80.9,68.96 80.26,68.33 80.26,67.31 79.88,66.93 79.38,66.93 78.49,66.04 78.49,65.28 78.61,65.15 78.74,65.15 79.25,65.66 79.76,65.66 80.14,65.28 80.14,64.64 80.26,64.52 81.79,64.52 82.11,64.83 82.11,65.72 82.93,66.55 82.93,67.56 82.8,67.69 82.8,68.07 83.06,68.33 83.06,69.34 84.2,70.48 84.2,71.25 84.33,71.37 84.33,72.01 84.96,72.64
VDD_NPU_S0 on TOP (solid shape): 68.96,86.11 68.96,82.3 69.34,81.91 69.57,81.91 69.82,81.66 69.82,79.88 69.7,79.76 68.71,79.76 66.03,82.45 66.01,82.45 65.91,82.55 63.12,82.55 62.86,82.8 62.86,84.96 62.74,85.09 62.74,86.61 62.86,86.74 68.33,86.74
VDD_NPU_S0 on BOTTOM (solid shape): 72.77,70.39 72.68,70.16 72.76,69.92 72.77,69.91 72.77,69.85 73.1,69.52 73.48,69.52 73.53,69.47 73.53,69.09 73.57,69.05 73.61,68.93 73.64,68.9 73.66,68.87 73.69,68.84 73.74,68.81 73.74,68.64 73.7,68.61 73.66,68.58 73.63,68.55 73.6,68.52 73.52,68.52 73.43,68.5 73.23,68.5 73.23,66.8 73.15,66.73 72.34,66.73 72.34,68.71 72.39,68.76 72.39,70.61 72.52,70.74 72.77,70.74
VDD_NPU_S0 on BOTTOM: 66.17,82.04 66.17,82.55 65.91,82.8 64.9,82.8 64.64,83.06 64.64,85.6 65.15,86.11 68.45,86.11 69.09,85.47 69.09,82.3 69.98,81.41 69.98,80.01 69.72,79.76 68.45,79.76
VDD_NPU_S0 on L3-S1: 67.69,79.63 69.72,79.63 69.85,79.76 69.85,81.91 67.69,84.07 67.69,85.6 67.44,85.85 64.9,85.85 64.64,85.6 64.64,82.68
VDD_NPU_S0 on L5-POWER2: 73.66,71.63 73.66,67.51 73.53,67.39 65.71,67.39 60.2,72.9 60.2,81.79 64.64,86.23 70.36,86.23 70.48,86.11 70.48,74.8
VDD_NPU_S0 on L6-S2: 71.51,67.45 71.32,67.64 71.32,67.67 70.31,68.68 69.62,68.68 62.86,75.44 62.86,83.95 64.77,85.85 70.36,85.85 70.42,85.79 70.42,75.44 73.1,72.76 73.1,69.01 73.33,68.78 73.33,67.51 73.34,67.5 73.15,67.31 71.64,67.31 71.51,67.44
VDD_NPU_S0 on L8-S3: 74.5,66.6 74.42,66.67 74.42,67.18 75.06,67.82 75.06,68.07 75.44,68.45 75.44,71.35 75.45,71.36 75.45,71.74 74.93,72.26 74.93,72.39 74.42,72.9 72.77,72.9 64.26,81.41 64.26,85.47 64.77,85.98 69.72,85.98 73.91,81.79 73.91,78.87 74.68,78.11 79.38,78.11 79.63,77.85 79.63,72.77 79.5,72.64 79.5,70.74 79.38,70.61 77.6,70.61 77.09,70.1 76.71,70.1 76.2,69.6 76.2,68.58 74.93,67.31 74.93,66.85 74.68,66.6
VDD_NPU_S0 on L9-GND3: 69.85,79.88 69.72,79.76 68.71,79.76 65.79,82.68 64.9,82.68 64.64,82.93 64.64,85.6 64.9,85.85 67.44,85.85 67.69,85.6 67.69,83.95 69.85,81.79
VDD_VDENC_S0 on BOTTOM (solid shape): 78.49,64.64 77.85,64.01 77.85,63.75 77.6,63.5 77.6,63.42 77.53,63.36 77.53,63.04 77.28,62.79 76.91,62.79 76.91,62.95 76.91,63.49 76.91,63.55 77.17,63.8 77.22,63.8 77.29,63.88 77.34,63.88 77.37,63.91 77.55,63.91 77.55,64.04 77.57,64.08 77.6,64.14 77.6,64.52 77.69,64.61 77.75,64.66 77.82,64.69 77.89,64.66 77.99,64.75 78,64.76 78.1,64.8 78.17,64.87 78.22,64.87 78.26,64.87
VDD_VDENC_S0 on TOP: 125.98,90.17 126.11,90.3 126.11,96.01 126.24,96.14 126.62,96.14 126.75,96.27 126.75,98.17 126.62,98.3 124.08,98.3 123.95,98.17 123.95,95.63 124.4,95.19 124.4,91.63 123.95,91.19 123.95,90.3 124.08,90.17
VDD_VDENC_S0 on BOTTOM: 97.54,73.79 97.66,73.91 97.66,74.93 97.54,75.06 96.14,75.06 96.01,74.93 96.01,73.91 96.14,73.79
VDD_VDENC_S0 on BOTTOM: 78.06,61.01 78.06,61.64 78.25,61.83 78.76,61.83 79.07,61.52 79.07,60.5 79.5,60.07 79.5,59.82 79.38,59.69 78.1,59.69 78.1,60.96
VDD_VDENC_S0 on L5-POWER2: 84.07,63.25 85.09,64.26 85.09,65.41 85.85,66.17 85.85,68.2 86.87,69.22 87.5,69.22 88.01,69.72 88.01,70.23 88.26,70.48 88.65,70.48 89.03,70.87 89.03,72.39 89.28,72.64 89.92,72.64 90.04,72.52 90.04,71.88 90.55,71.37 92.07,71.37 93.09,70.36 93.85,70.36 94.23,69.98 97.03,69.98 98.04,68.96 98.93,68.96 99.44,69.47 99.44,70.36 96.39,73.41 88.01,73.41 87.25,72.64 87.25,71.63 86.11,70.48 86.11,68.96 85.34,68.2 85.34,66.55 84.2,65.41 83.69,65.41 82.8,64.52 82.8,64.26 82.42,63.88 81.53,63.88 81.41,63.75 78.87,63.75 78.61,64.01 77.34,64.01 77.09,63.75 77.09,63.25 77.22,63.12 80.64,63.12 80.9,63.37 81.15,63.37 81.28,63.25
VDD_VDENC_S0 on L6-S2: 86.33,68.96 90.53,68.96 91.49,69.93 92.79,69.93 93.09,70.23 93.73,70.23 94.11,69.85 96.52,69.85 101.35,65.02 122.43,65.02 127.13,69.72 127.13,78.11 132.33,83.31 132.33,97.66 131.71,98.29 124.7,98.29 124.46,98.04 124.46,92.71 120.65,88.9 117.98,88.9 115.06,85.98 115.06,77.09 112.14,74.17 106.3,74.17 104.52,75.95 82.55,75.95 80.77,74.17 80.77,71.35 79.45,70.03 79.45,68.12 79.07,67.74 79.07,67.11 79.58,66.6 80.09,66.6 80.21,66.47 80.21,65.46 80.09,65.33 78.18,65.33 78.06,65.21 78.06,60.12 78.87,59.31 83.57,59.31 83.95,59.69 84.84,59.69 85.34,60.2 85.34,67.97
VDDA_0V75_S0 on BOTTOM (solid shape): 81.48,68.76 81.53,68.71 80.64,67.82 80.52,67.82 80.34,68 80.34,68.25 80.59,68.25 80.59,68.35 80.67,68.42 80.67,68.63 80.59,68.71 80.59,68.76 80.72,68.88 81.48,68.88
VDDA_0V75_S0 on BOTTOM (solid shape): 79.36,68.83 79.45,68.7 79.59,68.62 79.63,68.61 79.63,68.43 79.58,68.43 79.58,67.82 79.65,67.79 79.68,67.72 79.7,67.63 79.55,67.49 79.35,67.69 78.74,67.69 78.74,68.03 78.77,68.1 78.85,68.13 79.19,68.29 79.19,68.66
VDDA_0V75_S0 on TOP: 130.05,84.84 130.05,84.45 130.3,84.2 131.19,84.2 131.44,84.45 131.44,84.84 131.32,84.96 130.17,84.96
VDDA_0V85_S0 on TOP: 131.32,83.57 131.44,83.44 131.44,83.06 131.32,82.93 129.54,82.93 129.29,83.19 129.29,83.31 129.54,83.57
VDDQ_DDR on BOTTOM (solid shape): 95.5,69.22 95.5,68.2 95.76,67.94 95.92,67.94 95.98,67.91 96.01,67.84 96.01,67.56 95.12,67.56 95.12,67.94 95.06,68.01 94.6,68.01 94.09,68.52 94.09,69.07 94.36,69.34 95.38,69.34
VDDQ_DDR on BOTTOM (solid shape): 88.12,58.87 88.12,56.45 88.25,56.33 88.75,56.33 88.88,56.45 88.88,56.86 88.98,56.96 90.33,56.96 90.67,57.31 91.13,57.31 92.25,58.43 92.26,58.43 92.38,58.5 92.45,58.61 92.45,58.63 92.6,58.78 94.56,58.78 94.6,58.74 94.6,58.67 94.61,58.65 94.61,58.42 94.51,58.32 94.49,58.32 94.35,58.32 94.22,58.27 93.24,58.27 92.31,57.34 92.31,56.84 92.82,56.33 92.92,56.33 92.93,56.32 93.05,56.3 93.16,56.32 93.17,56.33 94.24,56.33 94.25,56.32 94.41,56.28 94.57,56.32 94.58,56.33 94.85,56.33 95.1,56.58 95.1,57.51 95.5,57.91 96.14,57.91 96.27,57.79 96.27,57.53 96.21,57.47 96.12,57.47 95.61,56.96 95.61,56.33 94.85,55.57 93.75,55.57 93.74,55.57 93.6,55.6 93.46,55.57 93.45,55.57 92.35,55.57 92.28,55.63 92.21,55.68 92.2,55.68 92.07,55.8 92.07,55.85 92.03,55.85 91.8,56.07 89.98,56.07 89.97,56.11 89.57,56.39 89.27,56.01 89.28,55.99 89.16,55.87 89.13,55.87 88.96,55.69 86.13,55.69 85.44,56.39 85.44,57.04 86.12,57.72 86.36,57.72 86.4,57.68 86.41,57.67 86.46,57.61 86.52,57.56 86.53,57.55 86.65,57.44 86.65,57.25 86.49,57.09 85.85,57.09 85.72,56.96 85.72,56.58 85.98,56.33 87.25,56.33 87.48,56.56 87.48,56.58 87.63,56.73 87.63,58.34 87.48,58.49 87.48,58.72 87.76,58.99 87.99,58.99
VDDQ_DDR on BOTTOM (solid shape): 92.2,70.23 92.46,69.98 92.46,68.88 92.56,68.77 92.56,67.93 92.33,67.69 92.33,67.18 92.35,67.16 92.35,67.04 91.99,66.67 91.82,66.67 91.33,67.16 90.57,67.16 90.15,66.74 90.15,66.49 89.9,66.23 89.9,66.21 89.64,65.96 89.64,65.73 89.52,65.6 88.99,65.6 88.68,65.91 88.75,65.98 89.13,65.98 89.21,66.05 89.25,66.06 89.3,66.08 89.34,66.1 89.38,66.13 89.42,66.16 89.45,66.2 89.47,66.24 89.48,66.29 89.49,66.33 89.52,66.36 89.52,66.74 89.61,66.84 89.65,66.85 89.7,66.87 89.74,66.9 89.78,66.93 89.82,66.97 89.85,67.02 89.87,67.07 89.88,67.1 90.17,67.4 90.17,67.61 91.42,67.61 91.42,67.55 91.43,67.5 91.45,67.45 91.47,67.4 91.5,67.36 91.54,67.32 91.58,67.29 91.62,67.26 91.67,67.24 91.72,67.23 91.78,67.23 91.83,67.23 91.88,67.24 91.93,67.26 91.98,67.29 92.02,67.32 92.05,67.36 92.08,67.4 92.1,67.45 92.12,67.5 92.13,67.55 92.13,67.61 92.12,67.66 92.1,67.71 92.08,67.76 92.05,67.8 92.02,67.84 91.98,67.87 91.93,67.9 91.88,67.92 91.83,67.93 91.78,67.93 91.72,67.93 91.67,67.92 91.62,67.9 91.58,67.87 91.54,67.84 91.5,67.8 91.47,67.76 91.45,67.71 91.43,67.66 91.42,67.61 90.17,67.61 90.17,67.94 90.09,68.02 90.08,68.05 90.05,68.09 90.01,68.13 89.97,68.16 89.94,68.17 89.92,68.2 89.53,68.2 89.41,68.07 88.52,68.07 88.24,68.35 87.02,68.35 86.87,68.2 86.87,67.95 86.85,67.93 86.82,67.89 86.8,67.85 86.78,67.8 86.77,67.76 86.76,67.71 86.68,67.63 86.4,67.63 86.36,67.67 86.36,68.2 86.63,68.47 90.51,68.47 90.51,68.42 90.52,68.36 90.53,68.31 90.56,68.27 90.59,68.22 90.62,68.18 90.66,68.15 90.71,68.13 90.76,68.11 90.81,68.09 90.86,68.09 90.91,68.09 90.97,68.11 91.02,68.13 91.06,68.15 91.1,68.18 91.14,68.22 91.17,68.27 91.19,68.31 91.21,68.36 91.21,68.42 91.21,68.47 91.21,68.52 91.19,68.57 91.17,68.62 91.14,68.66 91.1,68.7 91.06,68.74 91.02,68.76 90.97,68.78 90.91,68.79 90.86,68.8 90.81,68.79 90.76,68.78 90.71,68.76 90.66,68.74 90.62,68.7 90.59,68.66 90.56,68.62 90.53,68.57 90.52,68.52 90.51,68.47 86.63,68.47 87.32,69.15 88.71,69.15 89.25,69.69 91.04,69.69 91.04,69.64 91.05,69.58 91.07,69.53 91.09,69.49 91.12,69.44 91.16,69.4 91.2,69.37 91.24,69.34 91.29,69.33 91.34,69.31 91.4,69.31 91.45,69.31 91.5,69.33 91.55,69.34 91.59,69.37 91.64,69.4 91.67,69.44 91.7,69.49 91.72,69.53 91.74,69.58 91.75,69.64 91.75,69.69 91.74,69.74 91.72,69.79 91.7,69.84 91.67,69.88 91.64,69.92 91.59,69.95 91.55,69.98 91.5,70 91.45,70.01 91.4,70.02 91.34,70.01 91.29,70 91.24,69.98 91.2,69.95 91.16,69.92 91.12,69.88 91.09,69.84 91.07,69.79 91.05,69.74 91.04,69.69 89.25,69.69 89.77,70.21 91.04,70.21 91.31,70.48 91.31,70.74 91.44,70.87 92.2,70.87
VDDQ_DDR on L6-S2 (solid shape): outline of 12649 points within 67.94,42.61 97.28,69.6
VDDQ_DDR on BOTTOM: 82.17,46.88 81.41,46.88 81.15,46.63 80.14,46.63 80.01,46.76 79.5,46.76 79.12,47.14 79.12,47.26 79.25,47.39 79.63,47.39 79.88,47.14 80.14,47.14 80.26,47.26 80.26,47.52 79.63,48.15 79.63,48.53 79.12,49.04 78.87,49.04 78.61,49.3 78.36,49.3 77.98,49.68 77.98,50.44 78.1,50.57 78.23,50.57 78.36,50.44 78.36,50.06 78.74,49.68 79.12,49.68 79.88,48.91 80.52,48.91 80.52,50.18 80.39,50.31 80.01,50.31 79.88,50.44 79.88,50.95 80.9,51.96 80.9,52.32 80.77,52.45 80.01,52.45 79.88,52.58 79.88,52.83 80.01,52.96 81.28,52.96 81.53,52.7 81.53,50.42 82.68,49.28 82.68,48.66 82.8,48.53 83.18,48.53 83.31,48.41 83.31,47.64 83.18,47.52 82.8,47.52
VDDQ_DDR on BOTTOM: 81.66,43.58 80.52,43.58 80.38,43.44 80.38,43.3 80.14,43.05 79.88,43.05 79.76,43.18 79.76,43.81 80.01,44.07 80.26,44.07 80.39,44.2 80.39,44.6 80.9,45.1 81.64,45.1 81.79,44.96 81.79,43.71
